# Altium PCB RK_NVR_DEMO1_RK3588_LP4XD200P232SD8_V21_20211228_final_lint.PcbDoc (part 2 of 29)
Units mm, origin at the board's own origin, x right, y up, seen from the top; angles counter-clockwise.
Board outline 170.08 x 169.98 mm, 8 copper layers (TOP, L2-GND1, L3-POWER1, L4-S1, L5-GND2, L6-S2, L7-GND3, BOTTOM), stack 2.118 mm thick; 1650 components, 1119 nets, 6165 pads, 15417 vias.
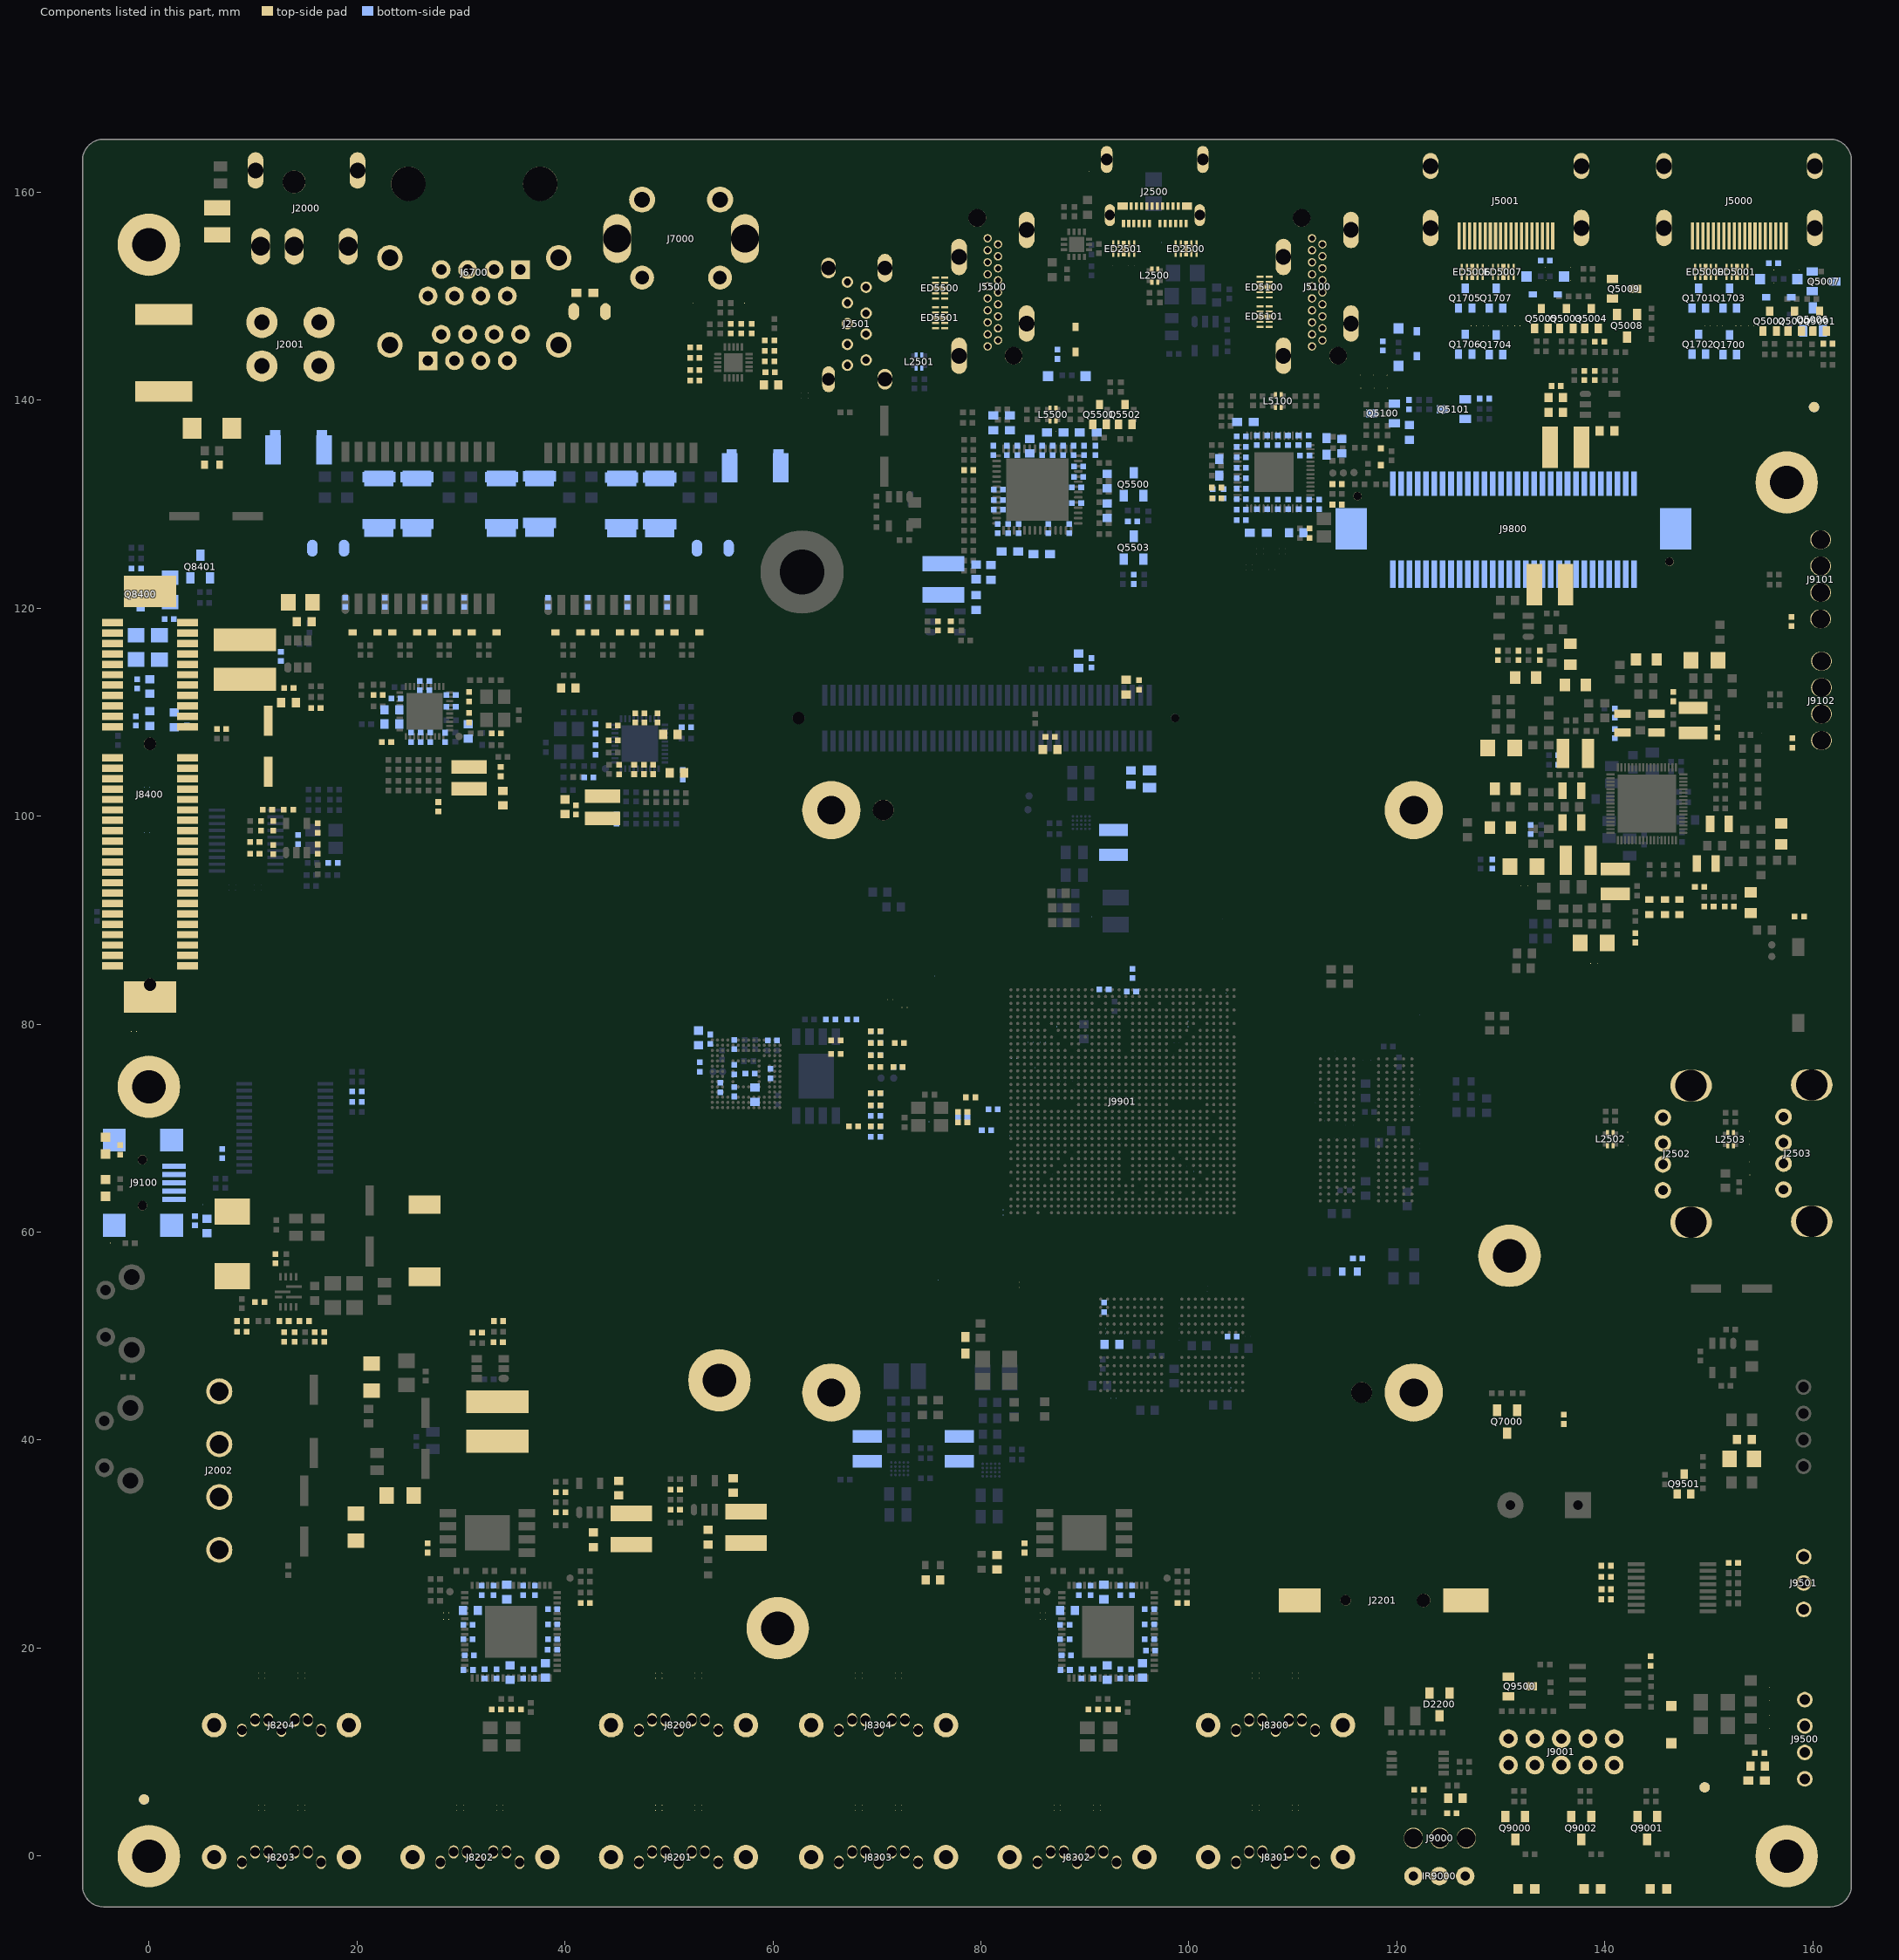
[diagram p8: the components of this part, seen from the top]

## Components (designator, comment, footprint, x,y, rotation, side; value= is the part's Value field where it differs from the comment) (continued)
C3871 "CAP NP_C0603_10UF" C0603#2 92.6,49.213 r180 bottom
C3872 "CAP NP_C0402_1UF" C0402#2 91.838,52.769 r270 bottom
C3873 "CAP NP_C0402_1UF" C0402#1 104.157,49.975 r180 bottom
C3874 "CAP NP_C0201_100NF" C0201#2 93.616,50.229 r0 bottom
C3875 "CAP NP_C0201_100NF" C0201#2 101.515,45.631 r180 bottom
C3876 "CAP NP_C0201_100NF" C0201#1 92.625,53.531 r90 bottom
C3877 "CAP NP_C0201_100NF" C0201#1 92.6,47.435 r90 bottom
C3878 "CAP NP_C0201_100NF" C0201#2 102.912,51.753 r0 bottom
C3879 "CAP NP_C0201_100NF" C0201#2 94.302,46.47 r180 bottom
C3880 "CAP NP_C0201_100NF" C0201#1 103.014,47.943 r270 bottom
C3881 "CAP NP_C0201_100NF" C0201#2 92.723,44.028 r180 bottom
C3882 "CAP NP_C0201_100NF" C0201#2 105.077,46.438 r0 bottom
C3883 "CAP NP_C0201_100NF" C0201#1 104.03,45.276 r270 bottom
C3884 "CAP NP_C0201_100NF" C0201#1 103.928,53.912 r90 bottom
C3885 "CAP NP_C0201_100NF" C0201#1 93.616,47.689 r90 bottom
C3886 "CAP NP_C0201_100NF" C0201#1 91.965,50.483 r270 bottom
C3887 "CAP NP_C0201_100NF" C0201#2 105.173,52.769 r0 bottom
C3888 "CAP NP_C0201_1NF" C0201#2 95.14,44.895 r0 bottom
C4000 "CAP NP_C0402_100NF" C0402#2 53.992,78.55 r270 bottom
C4001 "CAP NP_C0402_100NF" C0402#2 52.976,75.883 r90 bottom
C4002 "CAP NP_C0402_100NF" C0402#2 59.758,75.248 r90 bottom
C4003 "CAP NP_C0402_100NF" C0402#2 56.278,78.042 r270 bottom
C4004 "CAP NP_C0603_4.7UF" C0603#3 52.849,78.677 r270 bottom
C4005 "CAP NP_C0402_100NF" C0402#2 56.278,73.495 r90 bottom
C4006 "CAP NP_C0402_100NF" C0402#1 57.802,75.248 r180 bottom
C4007 "CAP NP_C0603_4.7UF" C0603#3 58.284,73.216 r90 bottom
C4008 "CAP NP_C0402_2.2UF" C0402#1 59.961,78.423 r0 bottom
C4009 "CAP NP_C0402_100NF" C0402#2 56.278,75.629 r90 bottom
C4010 "CAP NP_C0402_10PF" C0402#2 54.957,73.902 r90 bottom
C4300 "CAP NP_C0402_100NF" C0402#1 67.581,80.455 r0 bottom
C4301 "CAP NP_C0402_1UF" C0402#1 65.549,80.455 r180 bottom
C4700 "CAP NP_C0603_10UF" C0603#2 93.971,112.408 r270 top
C4701 "CAP NP_C0402_100NF" C0402#1 95.191,112.611 r270 top
C4702 "CAP NP_C0805_10UF" C0805#2 96.197,103.569 r90 bottom
C4703 "CAP NP_C0603_100NF" C0603#3 94.419,103.696 r90 bottom
C4704 "CAP NP_C0603_10UF" C0603#3 89.399,114.948 r270 bottom
C4705 "CAP NP_C0402_100NF" C0402#2 90.619,114.745 r270 bottom
C4706 "CAP NP_C0603_10UF" C0603#2 86.656,106.414 r180 top
C4707 "CAP NP_C0402_100NF" C0402#1 86.656,107.633 r180 top
C5000 "CAP NP_C0402_1UF" C0402#1 156.213,153.175 r180 bottom
C5001 "CAP NP_C0402_1UF" C0402#1 134.267,153.429 r180 bottom
C5003 "CAP NP_C0402_100PF" C0402#1 161.434,145.428 r0 top
C5005 "CAP NP_C0402_100PF" C0402#1 139.488,145.631 r0 top
C5100 "CAP NP_C0402_100NF" C0402#1 102.672,131.589 r0 top
C5101 "CAP NP_C0402_100NF" C0402#1 102.694,130.573 r0 top
C5102 "CAP NP_C0402_1UF" C0402#2 118.66,145.225 r270 bottom
C5103 "CAP NP_C0201_0.5PF" C0201#2 108.589,138.316 r0 top
C5104 "CAP NP_C0402_18PF" C0402#1 111.604,127.21 r90 top
C5105 "CAP NP_C0402_18PF" C0402#1 114.252,129.955 r0 top
C5106 "CAP NP_C0402_100NF" C0402#1 114.252,131.925 r0 top
C5107 "CAP NP_C0603_10UF" C0603#3 121.2,136.894 r90 bottom
C5108 "CAP NP_C0402_100NF" C0402#2 121.161,139.568 r270 bottom
C5109 "CAP NP_C0603_10UF" C0603#3 114.698,135.573 r270 bottom
C5110 "CAP NP_C0402_1UF" C0402#2 110.528,136.135 r90 bottom
C5111 "CAP NP_C0402_100NF" C0402#2 111.531,136.135 r90 bottom
C5112 "CAP NP_C0402_100NF" C0402#1 105.032,132.491 r0 bottom
C5113 "CAP NP_C0402_100NF" C0402#1 105.032,134.498 r0 bottom
C5114 "CAP NP_C0402_100NF" C0402#1 128.414,140.145 r0 bottom
C5115 "CAP NP_C0402_1UF" C0402#2 103.323,131.007 r90 bottom
C5116 "CAP NP_C0402_100NF" C0402#2 102.305,131.007 r90 bottom
C5117 "CAP NP_C0402_100NF" C0402#2 108.548,129.979 r270 bottom
C5118 "CAP NP_C0402_100NF" C0402#2 109.551,129.979 r270 bottom
C5119 "CAP NP_C0603_10UF" C0603#2 140.206,137.035 r180 top
C5120 "CAP NP_C0402_100PF" C0402#1 139.018,142.371 r270 top
C5121 "CAP NP_C0603_22UF" C0603#2 135.263,140.258 r0 top
C5122 "CAP NP_C0603_10UF" C0603#2 135.263,138.835 r0 top
C5123 "CAP NP_C0402_100NF" C0402#1 135.323,141.364 r0 top
C5124 "CAP NP_C0402_100NF" C0402#1 105.032,133.495 r0 bottom
C5125 "CAP NP_C0402_100NF" C0402#2 112.518,129.979 r90 bottom
C5126 "CAP NP_C0402_100NF" C0402#1 111.137,134.679 r180 bottom
C5127 "CAP NP_C0603_10UF" C0603#2 110.329,127.242 r0 bottom
C5128 "CAP NP_C0402_100NF" C0402#2 107.544,129.979 r270 bottom
C5129 "CAP NP_C0402_100NF" C0402#2 106.541,129.979 r270 bottom
C5130 "CAP NP_C0402_1UF" C0402#2 111.558,129.979 r270 bottom
C5131 "CAP NP_C0402_100NF" C0402#2 110.555,129.979 r270 bottom
C5132 "CAP NP_C0402_1UF" C0402#1 105.032,130.484 r0 bottom
C5133 "CAP NP_C0402_100NF" C0402#1 105.032,131.487 r0 bottom
C5134 "CAP NP_C0402_100NF" C0402#1 138.033,142.371 r90 top
C5135 "CAP NP_C0402_1UF" C0402#1 105.032,129.48 r0 bottom
C5136 "CAP NP_C0402_100NF" C0402#1 105.032,128.477 r0 bottom
C5137 "CAP NP_C0402_1UF" C0402#1 105.032,136.505 r0 bottom
C5138 "CAP NP_C0402_100NF" C0402#1 105.032,135.502 r0 bottom
C5139 "CAP NP_C0402_4.7UF" C0402#2 107.517,136.135 r90 bottom
C5140 "CAP NP_C0402_100NF" C0402#2 109.524,136.135 r90 bottom
C5141 "CAP NP_C0402_1UF" C0402#2 106.513,136.135 r90 bottom
C5142 "CAP NP_C0402_100NF" C0402#2 108.521,136.135 r90 bottom
C5500 "CAP NP_C0402_100NF" C0402#1 78.833,133.267 r180 top
C5501 "CAP NP_C0201_0.5PF" C0201#2 86.937,136.995 r0 top
C5502 "CAP NP_C0402_1UF" C0402#2 87.367,144.412 r270 bottom
C5503 "CAP NP_C0603_10UF" C0603#3 92.143,129.375 r270 bottom
C5504 "CAP NP_C0402_100NF" C0402#1 94.581,128.359 r0 bottom
C5505 "CAP NP_C0603_10UF" C0603#3 92.143,132.22 r90 bottom
C5506 "CAP NP_C0402_100NF" C0402#1 89.196,130.086 r180 bottom
C5507 "CAP NP_C0402_100NF" C0402#1 89.399,133.642 r180 bottom
C5508 "CAP NP_C0402_2.2UF" C0402#2 87.912,135.166 r90 bottom
C5509 "CAP NP_C0402_100NF" C0402#2 86.909,135.166 r90 bottom
C5510 "CAP NP_C0402_2.2UF" C0402#1 81.678,131.407 r0 bottom
C5511 "CAP NP_C0402_100NF" C0402#1 89.399,132.626 r180 bottom
C5512 "CAP NP_C0402_100NF" C0402#2 94.683,122.771 r90 bottom
C5513 "CAP NP_C0603_10UF" C0603#3 84.703,135.573 r90 bottom
C5514 "CAP NP_C0402_100NF" C0402#2 85.905,135.166 r90 bottom
C5515 "CAP NP_C0402_100PF" C0402#1 77.106,118.301 r270 top
C5516 "CAP NP_C0402_2.2UF" C0402#2 88.916,135.166 r90 bottom
C5517 "CAP NP_C0402_100NF" C0402#2 89.92,135.166 r90 bottom
C5518 "CAP NP_C0402_2.2UF" C0402#2 83.5,135.166 r90 bottom
C5519 "CAP NP_C0402_100NF" C0402#2 82.496,135.166 r90 bottom
C5520 "CAP NP_C0603_10UF" C0603#3 79.544,120.536 r270 bottom
C5521 "CAP NP_C0603_22UF" C0603#3 80.967,123.432 r90 bottom
C5522 "CAP NP_C0603_10UF" C0603#3 79.544,123.482 r90 bottom
C5523 "CAP NP_C0402_100NF" C0402#1 81.678,129.477 r0 bottom
C5524 "CAP NP_C0402_100NF" C0402#1 81.678,130.391 r0 bottom
C5525 "CAP NP_C0402_100NF" C0402#1 89.196,131.61 r180 bottom
C5526 "CAP NP_C0402_100NF" C0402#2 91.025,135.166 r90 bottom
C5527 "CAP NP_C0402_100NF" C0402#2 81.188,135.166 r90 bottom
C5528 "CAP NP_C0402_2.2UF" C0402#2 83.633,127.648 r270 bottom
C5529 "CAP NP_C0402_100NF" C0402#2 88.485,127.648 r270 bottom
C5530 "CAP NP_C0402_100NF" C0402#2 86.465,127.648 r270 bottom
C5531 "CAP NP_C0402_100NF" C0402#1 75.887,118.301 r90 top
C5532 "CAP NP_C0402_2.2UF" C0402#2 82.629,127.648 r270 bottom
C5533 "CAP NP_C0402_100NF" C0402#2 81.626,127.648 r270 bottom
C6700 "CAP NP_C0402_18PF" C0402#2 42.933,108.388 r270 bottom
C6701 "CAP NP_C0402_18PF" C0402#2 42.933,106.369 r90 bottom
C6702 "CAP NP_C0402_10NF" C0402#2 38.395,120.561 r90 bottom
C6703 "CAP NP_C0402_10NF" C0402#2 42.205,120.561 r90 bottom
C6704 "CAP NP_C0402_10NF" C0402#2 49.825,120.561 r90 bottom
C6705 "CAP NP_C0402_10NF" C0402#2 46.015,120.561 r90 bottom
C6706 "CAP NP_C0402_DNP" C0402#1 42.3,103.719 r180 bottom
C6707 "CAP NP_C1206L_1000PF" C1206L 54.22,125.768 r0 bottom
C6708 "CAP NP_C1206L_1000PF" C1206L 42.379,148.513 r0 top
C6709 "CAP NP_C0603_4.7UF" C0603#2 50.763,104.154 r0 top
C6710 "CAP NP_C0402_1UF" C0402#1 47.595,104.488 r90 top
C6711 "CAP NP_C0402_100NF" C0402#1 46.661,104.488 r90 top
C6712 "CAP NP_C0603_4.7UF" C0603#2 50.134,107.855 r180 top
C6713 "CAP NP_C0402_100NF" C0402#1 45.202,104.474 r90 top
C6714 "CAP NP_C0402_100NF" C0402#1 44.654,108.702 r0 top
C6715 "CAP NP_C0603_4.7UF" C0603#2 40.008,100.904 r90 top
C6716 "CAP NP_C0402_100NF" C0402#1 41.046,100.607 r90 top
C6717 "CAP NP_C0402_100NF" C0402#1 46.766,109.446 r270 top
C6718 "CAP NP_C0402_100NF" C0402#1 51.68,108.552 r0 bottom
C6719 "CAP NP_C0603_4.7UF" C0603#2 40.329,112.31 r180 top
C6720 "CAP NP_C0402_100NF" C0402#1 48.905,109.446 r270 top
C6721 "CAP NP_C0402_100NF" C0402#1 44.654,107.27 r0 top
C6722 "CAP NP_C0402_100NF" C0402#1 48.491,104.488 r90 top
C6723 "CAP NP_C0402_100NF" C0402#1 47.662,109.446 r270 top
C6724 "CAP NP_C0402_DNP" C0402#2 44.949,99.712 r270 bottom
C6726 "CAP NP_C0402_3PF" C0402#2 51.325,103.975 r90 bottom
C6800 "CAP NP_C0402_18PF" C0402#1 30.786,109.468 r270 top
C6801 "CAP NP_C0402_18PF" C0402#1 30.786,111.487 r90 top
C6802 "CAP NP_C0402_10NF" C0402#2 18.888,120.561 r90 bottom
C6803 "CAP NP_C0402_10NF" C0402#2 22.698,120.561 r90 bottom
C6804 "CAP NP_C0402_10NF" C0402#2 26.508,120.561 r90 bottom
C6805 "CAP NP_C0402_10NF" C0402#2 30.318,120.561 r90 bottom
C6806 "CAP NP_C0402_DNP" C0402#1 33.402,107.946 r0 top
C6807 "CAP NP_C1206L_1000PF" C1206L 17.238,125.768 r180 bottom
C6808 "CAP NP_C0603_4.7UF" C0603#2 23.359,108.852 r0 bottom
C6809 "CAP NP_C0402_1UF" C0402#2 26.124,107.587 r270 bottom
C6810 "CAP NP_C0402_100NF" C0402#2 27.058,107.587 r270 bottom
C6811 "CAP NP_C0603_4.7UF" C0603#2 23.357,110.214 r0 bottom
C6812 "CAP NP_C0402_100NF" C0402#1 23.766,111.316 r0 bottom
C6813 "CAP NP_C0402_100NF" C0402#2 28.492,107.572 r270 bottom
C6814 "CAP NP_C0603_4.7UF" C0603#2 34.027,101.74 r270 top
C6815 "CAP NP_C0402_100NF" C0402#2 25.203,107.587 r270 bottom
C6816 "CAP NP_C0402_100NF" C0402#2 26.952,112.545 r90 bottom
C6817 "CAP NP_C0402_100NF" C0402#1 22.039,111.651 r180 top
C6818 "CAP NP_C0603_4.7UF" C0603#3 30.696,108.138 r270 bottom
C6819 "CAP NP_C0402_100NF" C0402#1 29.059,111.648 r180 bottom
C6820 "CAP NP_C0402_100NF" C0402#2 26.057,112.545 r90 bottom
C6821 "CAP NP_C0402_100NF" C0402#1 29.059,110.511 r180 bottom
C6822 "CAP NP_C0402_100NF" C0402#1 33.824,104.28 r90 top
C6823 "CAP NP_C0402_DNP" C0402#1 27.83,100.902 r270 top
C6826 "CAP NP_C0402_3PF" C0402#1 22.851,107.125 r0 top
C7000 "CAP NP_C0402_1UF" C0402#1 55.948,146.876 r90 top
C7001 "CAP NP_C0402_1UF" C0402#1 56.964,146.876 r90 top
C7002 "CAP NP_C0402_1UF" C0402#1 57.98,146.876 r90 top
C7003 "CAP NP_C0402_1UF" C0402#1 59.681,145.758 r0 top
C7004 "CAP NP_C0402_1UF" C0402#1 59.681,144.742 r0 top
C7005 "CAP NP_C0402_1UF" C0402#1 59.681,143.729 r0 top
C7006 "CAP NP_C0402_1UF" C0402#1 52.493,145.072 r180 top
C7007 "CAP NP_C0402_100NF" C0402#1 52.493,144.082 r180 top
C7008 "CAP NP_C0402_1UF" C0402#1 52.493,142.888 r180 top
C7009 "CAP NP_C0402_100NF" C0402#1 52.493,141.877 r180 top
C7010 "CAP NP_C0402_100NF" C0402#1 59.732,142.685 r0 top
C7011 "CAP NP_C0603_4.7UF" C0603#2 59.834,141.466 r0 top
C7012 "CAP NP_C0402_100NF" C0402#1 136.034,41.999 r90 top
C8200 "CAP NP_C0201_10NF" C0201#2 52.521,17.347 r270 top
C8201 "CAP NP_C0201_10NF" C0201#2 53.152,17.347 r270 top
C8202 "CAP NP_C0201_10NF" C0201#2 49.342,17.347 r270 top
C8203 "CAP NP_C0201_10NF" C0201#2 48.711,17.347 r270 top
C8204 "CAP NP_C0402_100NF" C0402#1 41.96,24.319 r0 top
C8205 "CAP NP_C0201_10NF" C0201#2 53.152,4.647 r270 top
C8206 "CAP NP_C0201_10NF" C0201#2 52.521,4.647 r270 top
C8207 "CAP NP_C0201_10NF" C0201#2 49.342,4.647 r270 top
C8208 "CAP NP_C0201_10NF" C0201#2 48.711,4.647 r270 top
C8209 "CAP NP_C0402_100NF" C0402#2 35.982,17.525 r270 bottom
C8210 "CAP NP_C0201_10NF" C0201#2 28.58,22.762 r0 top
C8211 "CAP NP_C0402_18PF" C0402#1 35.316,14.1 r0 top
C8212 "CAP NP_C0201_10NF" C0201#2 28.58,23.393 r0 top
C8213 "CAP NP_C0402_18PF" C0402#1 33.399,14.1 r180 top
C8214 "CAP NP_C0201_10NF" C0201#2 34.061,4.647 r270 top
C8215 "CAP NP_C0201_10NF" C0201#2 33.43,4.647 r270 top
C8216 "CAP NP_C0201_10NF" C0201#2 28.58,21.893 r0 top
C8217 "CAP NP_C0201_10NF" C0201#2 30.251,4.647 r270 top
C8218 "CAP NP_C0201_10NF" C0201#2 28.58,21.262 r0 top
C8219 "CAP NP_C0201_10NF" C0201#2 29.62,4.647 r270 top
C8220 "CAP NP_C0201_10NF" C0201#2 14.971,4.647 r270 top
C8221 "CAP NP_C0201_10NF" C0201#2 14.34,4.647 r270 top
C8222 "CAP NP_C0201_10NF" C0201#2 11.161,4.647 r270 top
C8223 "CAP NP_C0201_10NF" C0201#2 10.53,4.647 r270 top
C8224 "CAP NP_C0603_10UF" C0603#2 56.188,35.647 r270 top
C8225 "CAP NP_C0402_100PF" C0402#1 50.614,35.253 r0 top
C8226 "CAP NP_C0603_22UF" C0603#2 53.759,30.669 r90 top
C8227 "CAP NP_C0603_10UF" C0603#3 34.727,17.643 r270 bottom
C8228 "CAP NP_C0402_100NF" C0402#1 26.79,29.629 r90 top
C8229 "CAP NP_C0402_100NF" C0402#1 30.701,17.896 r0 bottom
C8230 "CAP NP_C0402_100NF" C0402#1 38.811,23.735 r180 bottom
C8231 "CAP NP_C0402_100NF" C0402#2 35.985,25.55 r90 bottom
C8232 "CAP NP_C0603_10UF" C0603#3 34.42,25.391 r90 bottom
C8233 "CAP NP_C0402_100NF" C0402#2 33.416,17.525 r270 bottom
C8234 "CAP NP_C0402_100NF" C0402#1 30.675,20.842 r0 bottom
C8235 "CAP NP_C0402_100NF" C0402#1 38.811,20.865 r180 bottom
C8236 "CAP NP_C0402_100NF" C0402#2 33.14,25.55 r90 bottom
C8237 "CAP NP_C0402_100NF" C0402#1 50.614,33.304 r180 top
C8238 "CAP NP_C0201_10NF" C0201#2 14.971,17.347 r270 top
C8239 "CAP NP_C0201_10NF" C0201#2 14.34,17.347 r270 top
C8240 "CAP NP_C0201_10NF" C0201#2 11.161,17.347 r270 top
C8241 "CAP NP_C0201_10NF" C0201#2 10.53,17.347 r270 top
C8242 "CAP NP_C0603_10UF" C0603#2 45.164,35.393 r270 top
C8243 "CAP NP_C0402_100PF" C0402#1 39.59,34.999 r0 top
C8244 "CAP NP_C0603_22UF" C0603#2 42.736,30.415 r90 top
C8245 "CAP NP_C0603_10UF" C0603#3 38.131,17.861 r270 bottom
C8246 "CAP NP_C0402_100NF" C0402#1 30.675,22.239 r0 bottom
C8247 "CAP NP_C0402_100NF" C0402#2 32.273,17.525 r270 bottom
C8248 "CAP NP_C0402_100NF" C0402#2 31.997,25.55 r90 bottom
C8249 "CAP NP_C0402_100NF" C0402#1 30.802,19.318 r0 bottom
C8250 "CAP NP_C0603_10UF" C0603#2 30.915,23.621 r0 bottom
C8251 "CAP NP_C0402_100NF" C0402#1 38.803,19.85 r180 bottom
C8252 "CAP NP_C0402_100NF" C0402#2 37.048,17.525 r270 bottom
C8253 "CAP NP_C0402_100NF" C0402#1 38.811,22.262 r180 bottom
C8254 "CAP NP_C0402_100NF" C0402#2 37.128,25.55 r90 bottom
C8255 "CAP NP_C0402_100NF" C0402#1 39.59,33.05 r180 top
C8300 "CAP NP_C0201_10NF" C0201#2 110.556,17.347 r270 top
C8301 "CAP NP_C0201_10NF" C0201#2 109.925,17.347 r270 top
C8302 "CAP NP_C0201_10NF" C0201#2 106.746,17.347 r270 top
C8303 "CAP NP_C0201_10NF" C0201#2 106.115,17.347 r270 top
C8304 "CAP NP_C0402_100NF" C0402#1 99.364,24.319 r0 top
C8305 "CAP NP_C0201_10NF" C0201#2 110.556,4.647 r270 top
C8306 "CAP NP_C0201_10NF" C0201#2 109.925,4.647 r270 top
C8307 "CAP NP_C0201_10NF" C0201#2 106.746,4.647 r270 top
C8308 "CAP NP_C0402_100NF" C0402#1 88.105,17.896 r0 bottom
C8309 "CAP NP_C0201_10NF" C0201#2 106.115,4.647 r270 top
C8310 "CAP NP_C0201_10NF" C0201#2 85.984,23.393 r0 top
C8311 "CAP NP_C0402_18PF" C0402#1 92.72,14.1 r0 top
C8312 "CAP NP_C0201_10NF" C0201#2 85.984,22.762 r0 top
C8313 "CAP NP_C0402_18PF" C0402#1 90.803,14.1 r180 top
C8314 "CAP NP_C0201_10NF" C0201#2 91.465,4.647 r270 top
C8315 "CAP NP_C0201_10NF" C0201#2 90.834,4.647 r270 top
C8316 "CAP NP_C0201_10NF" C0201#2 85.984,21.893 r0 top
C8317 "CAP NP_C0201_10NF" C0201#2 87.655,4.647 r270 top
C8318 "CAP NP_C0201_10NF" C0201#2 85.984,21.262 r0 top
C8319 "CAP NP_C0201_10NF" C0201#2 87.024,4.647 r270 top
C8320 "CAP NP_C0201_10NF" C0201#2 72.375,4.647 r270 top
C8321 "CAP NP_C0201_10NF" C0201#2 71.744,4.647 r270 top
C8322 "CAP NP_C0201_10NF" C0201#2 68.565,4.647 r270 top
C8323 "CAP NP_C0201_10NF" C0201#2 67.934,4.647 r270 top
C8324 "CAP NP_C0603_22UF" C0603#2 81.551,28.258 r90 top
C8325 "CAP NP_C0603_10UF" C0603#3 92.131,17.643 r270 bottom
C8326 "CAP NP_C0402_100NF" C0402#1 84.194,29.629 r90 top
C8327 "CAP NP_C0402_100NF" C0402#1 88.079,20.842 r0 bottom
C8328 "CAP NP_C0402_100NF" C0402#2 90.82,17.525 r270 bottom
C8329 "CAP NP_C0402_100NF" C0402#2 90.544,25.55 r90 bottom
C8330 "CAP NP_C0603_10UF" C0603#3 91.824,25.391 r90 bottom
C8331 "CAP NP_C0402_100NF" C0402#2 93.386,17.525 r270 bottom
C8332 "CAP NP_C0402_100NF" C0402#1 96.215,20.865 r180 bottom
C8333 "CAP NP_C0402_100NF" C0402#1 96.215,23.735 r180 bottom
C8334 "CAP NP_C0402_100NF" C0402#2 93.389,25.55 r90 bottom
C8335 "CAP NP_C0201_10NF" C0201#2 72.375,17.347 r270 top
C8336 "CAP NP_C0201_10NF" C0201#2 71.744,17.347 r270 top
C8337 "CAP NP_C0201_10NF" C0201#2 68.565,17.347 r270 top
C8338 "CAP NP_C0201_10NF" C0201#2 67.934,17.347 r270 top
C8339 "CAP NP_C0603_22UF" C0603#2 75.379,26.556 r180 top
C8340 "CAP NP_C0603_10UF" C0603#2 88.319,23.621 r0 bottom
C8341 "CAP NP_C0402_100NF" C0402#1 88.079,22.239 r0 bottom
C8342 "CAP NP_C0402_100NF" C0402#1 88.206,19.318 r0 bottom
C8343 "CAP NP_C0402_100NF" C0402#2 89.677,17.525 r270 bottom
C8344 "CAP NP_C0402_100NF" C0402#2 89.401,25.55 r90 bottom
C8345 "CAP NP_C0603_10UF" C0603#3 95.535,17.861 r270 bottom
C8346 "CAP NP_C0402_100NF" C0402#1 96.308,19.749 r180 bottom
C8347 "CAP NP_C0402_100NF" C0402#2 94.452,17.525 r270 bottom
C8348 "CAP NP_C0402_100NF" C0402#1 96.215,22.262 r180 bottom
C8349 "CAP NP_C0402_100NF" C0402#2 94.532,25.55 r90 bottom
C8400 "CAP NP_C0402_100NF" C0402#1 6.995,108.395 r0 top
C8401 "CAP NP_C0201_220NF" C0201#2 -0.203,103.417 r180 bottom
C8402 "CAP NP_C0201_220NF" C0201#2 -0.203,102.782 r180 bottom
C8403 "CAP NP_C0201_220NF" C0201#2 -0.203,98.417 r180 bottom
C8404 "CAP NP_C0201_220NF" C0201#2 -0.203,97.782 r180 bottom
C8405 "CAP NP_C0201_220NF" C0201#2 6.688,84.098 r180 top
C8406 "CAP NP_C0201_220NF" C0201#2 6.688,83.463 r180 top
C8407 "CAP NP_C0201_220NF" C0201#2 -1.44,79.933 r180 top
C8408 "CAP NP_C0201_220NF" C0201#2 -1.44,79.298 r180 top
C8409 "CAP NP_C1206_10UF" C1206#2 -1.221,116.238 r90 bottom
C8410 "CAP NP_C0402_100NF" C0402#1 1.947,118.936 r0 bottom
C8411 "CAP NP_C0603_22UF" C0603#3 0.086,112.459 r270 bottom
C8412 "CAP NP_C0402_100NF" C0402#1 13.453,112.332 r0 top
C8413 "CAP NP_C0603_22UF" C0603#3 2.43,109.258 r90 bottom
C8414 "CAP NP_C0402_100NF" C0402#2 -1.129,112.713 r270 bottom
C8415 "CAP NP_C0603_10UF" C0603#2 13.428,110.909 r0 top
C8416 "CAP NP_C0402_100NF" C0402#2 3.649,109.157 r90 bottom
C8417 "CAP NP_C0402_1UF" C0402#1 13.422,100.622 r0 top
C8418 "CAP NP_C0402_100NF" C0402#1 10.777,99.066 r270 top
C8419 "CAP NP_C0402_18PF" C0402#2 14.342,97.752 r90 bottom
C8420 "CAP NP_C0402_18PF" C0402#1 17.706,95.498 r0 bottom
C8421 "CAP NP_C0402_1UF" C0402#1 11.973,96.789 r90 top
C8422 "CAP NP_C0402_4.7UF" C0402#1 11.402,100.622 r180 top
C8423 "CAP NP_C0402_1UF" C0402#1 10.183,96.401 r0 top
C8424 "CAP NP_C0402_100NF" C0402#1 10.183,97.518 r0 top
C8425 "CAP NP_C0402_4.7UF" C0402#1 11.973,99.066 r270 top
C8426 "CAP NP_C0402_100NF" C0402#1 16.246,96.838 r90 top
C8427 "CAP NP_C0402_DNP" C0402#1 16.246,98.851 r270 top
C8428 "CAP NP_C0402_100NF" C0402#2 12.691,115.354 r270 bottom
C8429 "CAP NP_C1206_10UF" C1206#2 2.023,121.755 r90 bottom
C8430 "CAP NP_C0402_100NF" C0402#1 -1.21,123.807 r180 bottom
C8431 "CAP NP_C1206_10UF" C1206#2 1.01,116.225 r90 bottom
C8432 "CAP NP_C1206_10UF" C1206#1 14.569,120.56 r0 top
C8433 "CAP NP_C0603_100NF" C0603#2 14.937,118.702 r0 top
C8434 "CAP NP_C0402_22PF" C0402#1 16.056,110.405 r180 top
C8435 "CAP_E_C6_120UF" E_C6 11.472,106.718 r180 top